# Altium PCB mb1260.PcbDoc (part 3 of 7)
Units mil, origin at the board's own origin, x right, y up, seen from the top; angles counter-clockwise.
Board outline 3189.01 x 3818.89 mil, 6 copper layers (TOP, L2_GND, L3_VCC, L4_SIG, L5_GND, BOTTOM), stack 62.2 mil thick; 308 components, 287 nets, 1220 pads, 851 vias.
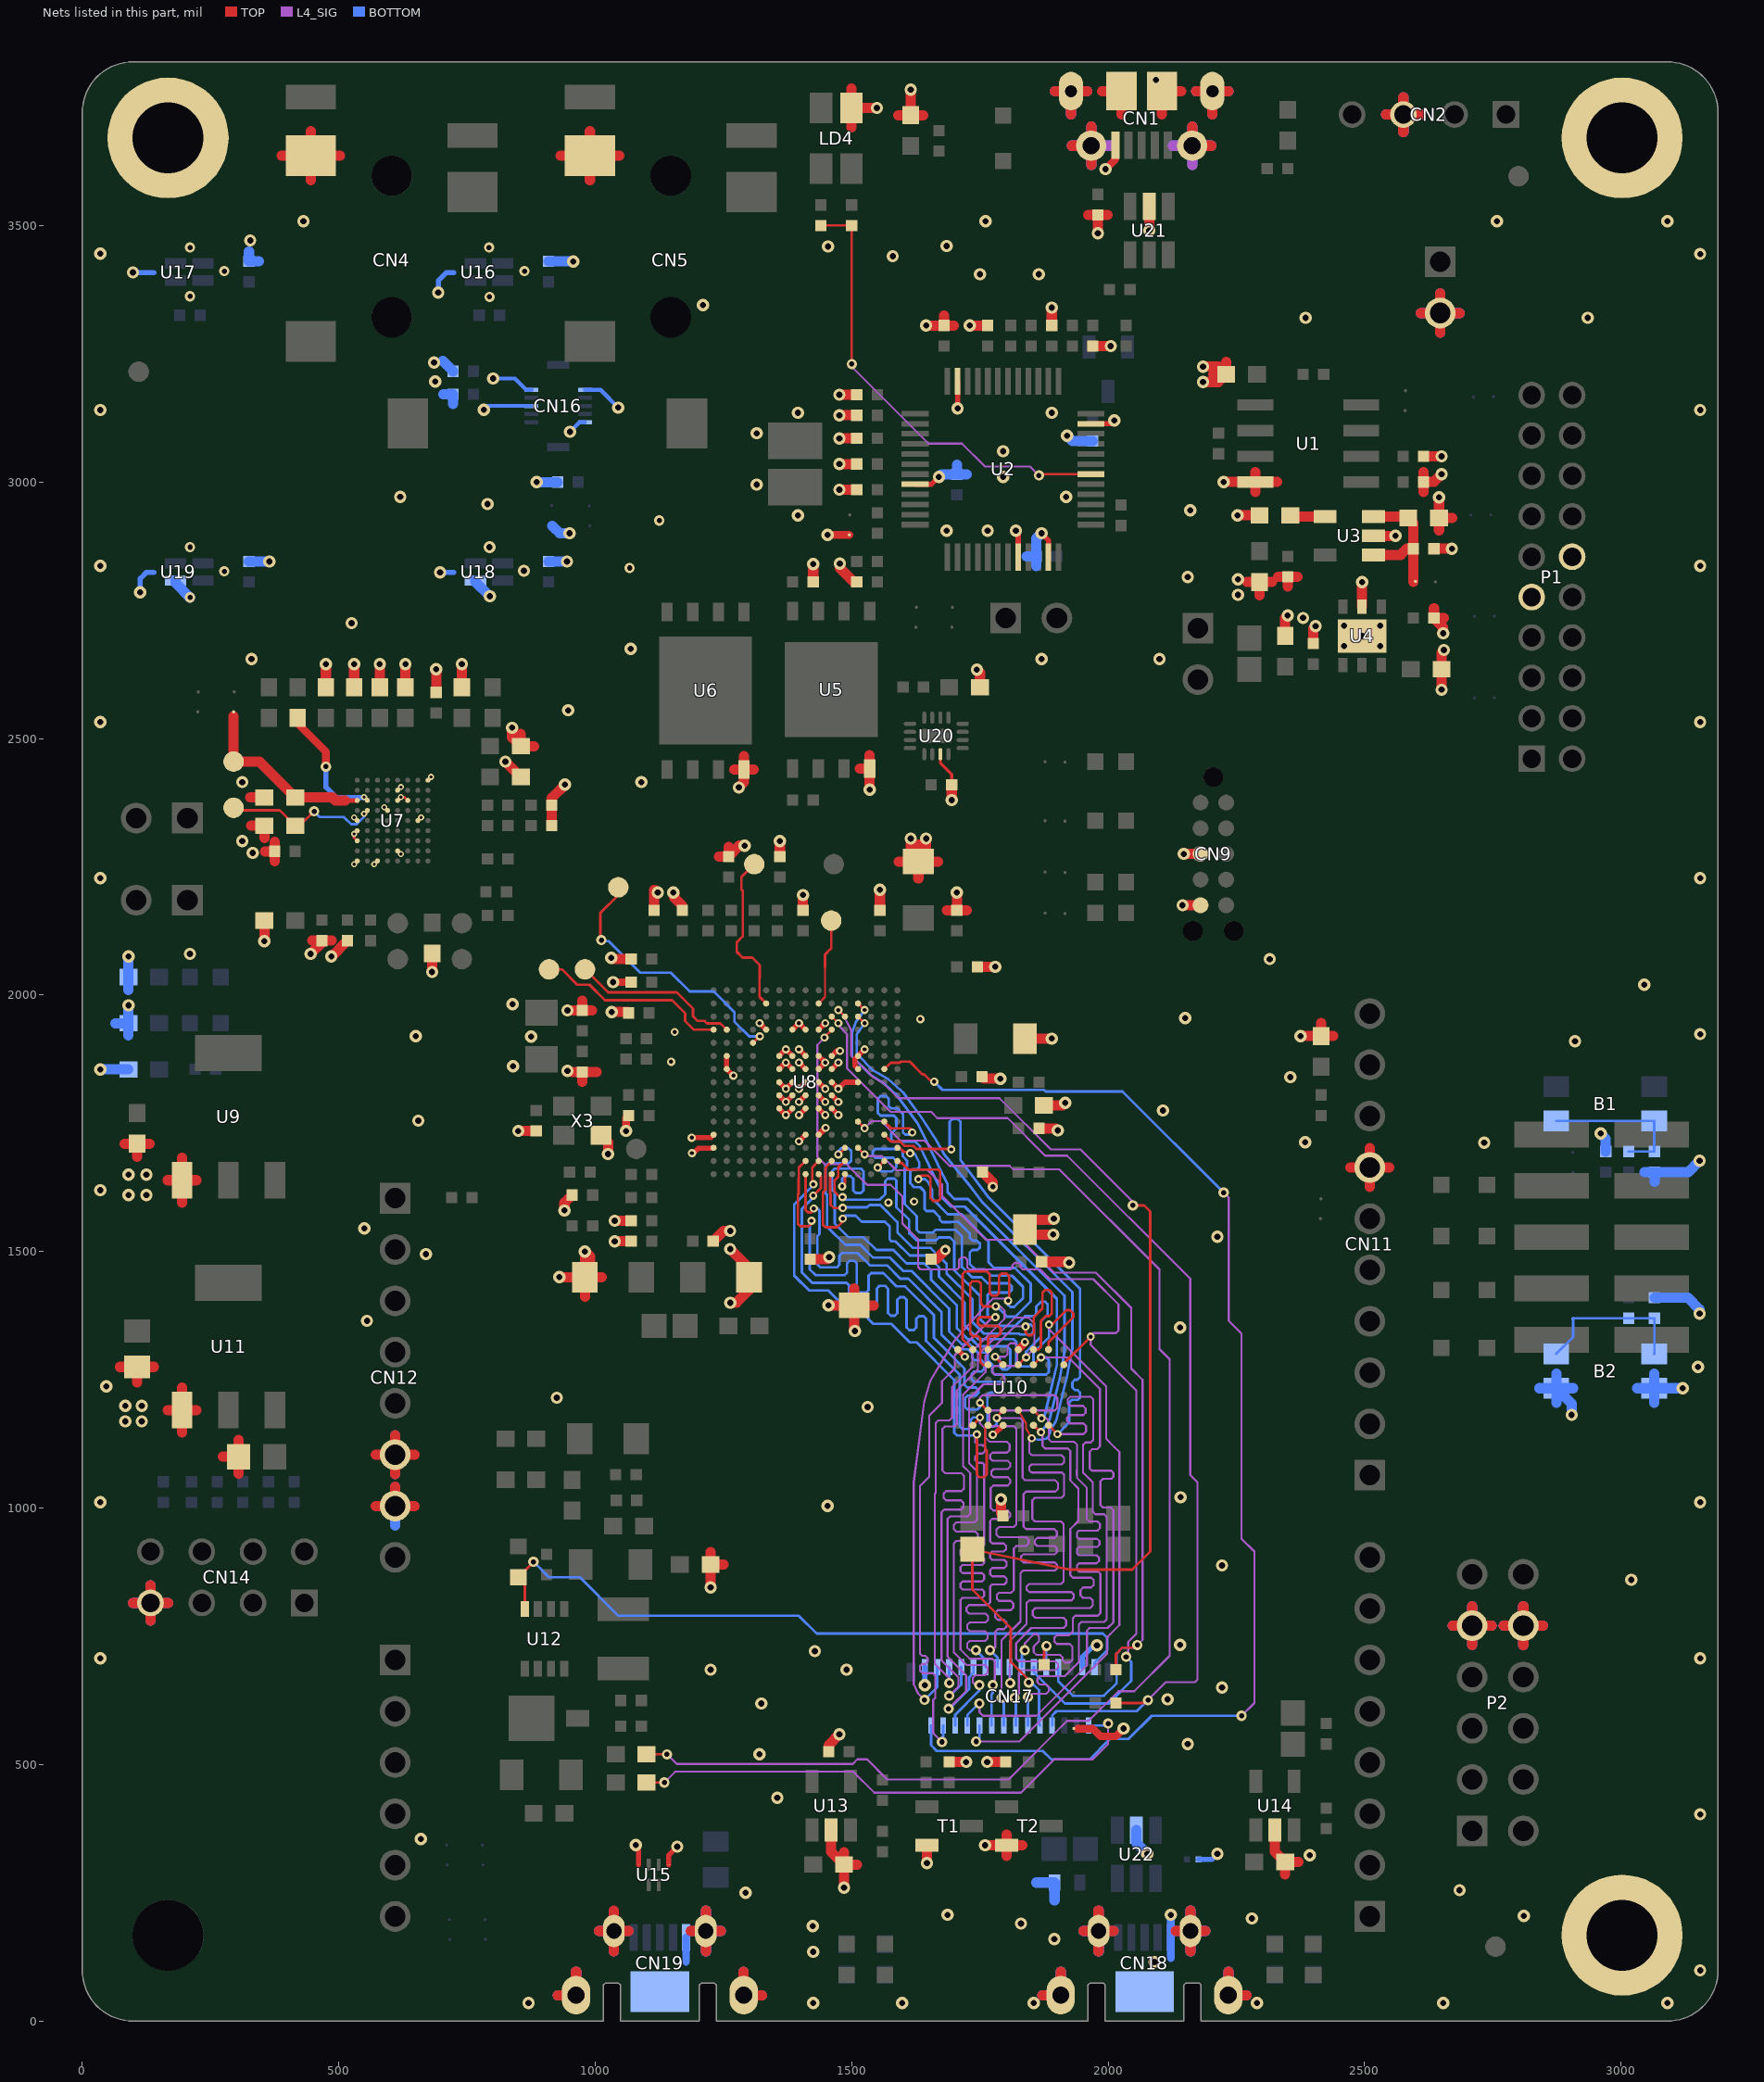
[diagram p7: the nets of this part, all layers, seen from the top]

## Via types
v1: diameter 24, hole 12, TOP to BOTTOM, tented both sides, 389 vias
v2: diameter 20, hole 10, TOP to BOTTOM, tented both sides, 231 vias
v3: diameter 16, hole 8, TOP to BOTTOM, tented both sides, 196 vias
v4: diameter 12, hole 6, TOP to BOTTOM, tented both sides, 35 vias

## Nets (pads, with @x,y where several pads share a name; then routed paths per layer and width w, separated by ;. In a path a pad name is that pad's centre, name@x,y a point inside that pad or via, vN(x,y) a via of type N, cw(c..) or ccw(c..) an arc to the next point about the centre after c; other vN are vias at no path point) (continued)
GND: B2.2 B2.4 C1.2 C2.2 C3.1 C4.1 C5.1 C6.1 C7.1 C8.1 C9.1 C10.1 C11.1 C12.1 C13.1 C14.1 C15.1 C16.1 C17.1 C19.1 C20.2 C21.2 C22.2 C23.2 C24.2 C26.2 C28.2 C29.1 C31.1 C33.2 C34.2 C35.1 C36.1 C37.1 C38.1 C39.1 C40.1 C41.2 C42.2 C43.1 C44.1 C45.1 C46.1 C47.1 C48.1 C49.1 C50.1 C51.1 C52.1 C53.1 C54.2 C55.1 C56.1 C57.1 C58.1 C59.1 C60.1 C61.1 C62.1 C63.1 C64.2 C65.2 C66.2 C68.1 C71.1 C74.1 C77.2 C78.2 C79.2 C80.2 C81.1 C82.1 C83.1 C84.2 C85.2 C86.1 C87.1 C92.2 C93.1 CN1.5 CN1.6 CN1.7 CN1.8 CN1.9 CN1.10 CN1.11 CN2.3 CN3.2 CN4.3 CN5.3 CN9.3 CN9.5 CN11.7 CN12.6 CN12.7 CN14.7 CN16.1 CN16.3 CN16.6 CN16.10 CN17.1 CN17.27 CN18.5 CN18.6 CN18.7 CN18.8 CN18.9 CN18.10 CN19.5 CN19.6 CN19.7 CN19.8 CN19.9 CN19.10 H1.1 H2.1 H4.1 L5.1 LD1.2 LD2.2 LD4.1 LD5.2 LD6.2 P1.5 P1.16 P2.5 P2.11 R3.1 R6.1 R8.1 R9.1 R16.1 R17.1 R18.1 R19.1 R21.1 R22.2 R26.1 R29.1 R31.2 R33.2 R36.1 R37.1 R54.2 R61.1 R75.2 R76.1 R89.1 SB2.2 SB6.1 SB16.1 T1.2 T2.2 U1.4 U2.8 U2.20 U2.23 U2.35 U2.47 U3.2 U4.2 U4.7 U5.4 U6.4 U7.A1 U7.A3 U7.A4 U7.A5 U7.C1 U7.D6 U7.E2 U7.E7 U7.E8 U7.F7 U7.G5 U7.H9 U8.D5 U8.D7 U8.D8 U8.D9 U8.F2 U8.F6 U8.F7 U8.F8 U8.F9 U8.F10 U8.F12 U8.G2 U8.G6 U8.G7 U8.G8 U8.G9 U8.G10 U8.G12 U8.H6 U8.H7 U8.H8 U8.H9 U8.H10 U8.H12 U8.J6 U8.J7 U8.J8 U8.J9 U8.J10 U8.K6 U8.K7 U8.K8 U8.K9 U8.K10 U8.M1 U8.M8 U8.M9 U8.N1 U9.1 U10.D1 U10.E6 U10.H1 U11.1 U13.2 U14.2 U15.5 U15.8 U16.5 U17.5 U18.2 U18.5 U19.2 U19.5 U20.11 U21.2 U22.2 U23.2 U24.2 X3.2 | length 17260.3
  TOP w5: v4(529.8,2254.96) U7.A1@536.1,2261.26 ; v4(529.8,2346.3) U7.A5@536.1,2340 ; U7.A3@536.1,2300.63 529.8,2306.93 v4(529.8,2314.01) U7.A4@536.1,2320.31 ; v4(569.17,2254.96) U7.C1@575.47,2261.26 ; v4(588.86,2365.99) U7.D6@595.16,2359.69 ; U7.E2@614.84,2280.94 v4(621.14,2274.64) ; U7.E7@614.84,2379.37 v4(621.14,2385.68) 628.22,2385.68 U7.F7@634.53,2379.37 ; U7.E8@614.84,2399.06 v4(621.14,2405.36) ; U7.G5@654.21,2340 v4(660.51,2346.3) ; U7.H9@673.9,2418.74 v4(680.2,2425.04)
  TOP w6: U20.11@1672.87,2469.38 1672.87,2452.13 1695,2430 R29.1@1695,2410
  TOP w10: v1(1079,343) 1084.47,337.53 U15.8@1084.47,304.69 ; U15.5@1143.53,304.69 1143.53,323.53 v1(1160,340) ; v3(1188,1721.87) 1225.1,1721.87 U8.M1@1230.87,1727.64 ; v3(1188.63,1691.87) 1191.87,1691.87 1201,1701 1229.82,1701 U8.N1@1230.87,1702.05 ; U8.F2@1256.46,1881.18 U8.G2@1256.46,1855.59 v3(1269.32,1842.73) ; v3(1320.37,1945.22) U8.D5@1333.23,1932.36 ; U8.K6@1358.82,1778.82 1358.82,1778.69 v3(1371.55,1765.96) U8.K7@1384.41,1778.82 ; U8.J6@1358.82,1804.41 1358.82,1804.28 v3(1371.55,1791.55) U8.J7@1384.41,1804.41 ; U8.H6@1358.82,1830 1358.82,1829.87 v3(1371.55,1817.14) U8.H7@1384.41,1830 ; U8.G6@1358.82,1855.59 1358.82,1855.72 v3(1371.55,1868.45) U8.G7@1384.41,1855.59 ; U8.F6@1358.82,1881.18 1358.82,1881.31 v3(1371.55,1894.04) U8.F7@1384.41,1881.18 ; U8.D7@1384.41,1932.36 1384.41,1932.49 v3(1397.14,1945.22) U8.D8@1410,1932.36 ; v3(1397.14,1714.78) U8.M8@1410,1727.64 ; v3(1397.14,1765.96) U8.K8@1410,1778.82 ; v3(1397.14,1791.55) U8.J8@1410,1804.41 ; v3(1397.14,1817.14) U8.H8@1410,1830 ; v3(1397.14,1868.45) U8.G8@1410,1855.59 ; v3(1397.14,1894.04) U8.F8@1410,1881.18 ; U8.K9@1435.59,1778.82 v3(1448.45,1765.96) ; U8.J9@1435.59,1804.41 v3(1448.45,1791.55) ; U8.H9@1435.59,1830 v3(1448.45,1817.14) ; U8.G9@1435.59,1855.59 v3(1448.45,1868.45) 1435.72,1881.18 U8.F9@1435.59,1881.18 ; U8.D9@1435.59,1932.36 v3(1448.32,1945.09) ; U8.K10@1461.18,1778.82 v3(1474.04,1765.96) ; U8.J10@1461.18,1804.41 v3(1474.04,1791.55) ; U8.H10@1461.18,1830 v3(1474.04,1817.14) 1486.9,1830 U8.H12@1512.36,1830 ; U8.G10@1461.18,1855.59 v3(1474.04,1868.45) ; U8.F10@1461.18,1881.18 1471,1891 v3(1477,1891) ; U8.G12@1512.36,1855.59 1512.36,1855.75 1506,1862.11 1506,1874.82 U8.F12@1512.36,1881.18 v3(1525.22,1894.04) ; U2.8@1623.74,2995.47 1655.47,2995.47 v1(1670,3010) ; v1(1706.42,3143.58) U2.47@1706.42,3196.26 ; U10.H1@1706.65,1308.82 v3(1720.62,1294.85) ; v3(1775,1143) 1777.06,1143 U10.E6@1795.24,1161.18 ; v1(1820,2905) 1824.53,2900.47 U2.20@1824.53,2853.74 ; v1(1870,2900) 1883.58,2886.42 U2.23@1883.58,2853.74 ; U2.35@1966.26,3113.58 2005.74,3113.58 v1(2012.16,3120)
  TOP w12: U8.M9@1435.59,1727.64 1435.75,1727.64 v3(1449.1,1740.99)
  TOP w15: v1(1035,2025) C46.1@1070,2025 ; v1(1059.97,1735) 1059.97,1759.97 C53.1@1065,1765 ; v1(1453.01,2896.99) SB6.1@1495.33,2896.99 ; U10.D1@1824.76,1308.82 1837.6,1321.66 v3(1837.6,1323.6) ; 1940,570 1970,570 ; 1970,570.33 1970,570 ; v1(1995,3610) 2014.17,3629.17 CN1.5@2014.17,3656.49 ; v1(2030,570.33) 2014.67,555 1985,555 1970,570
  TOP w20: 73.78,1275 C68.1@106.8,1275 ; 82.78,1710 C57.1@106.8,1710 ; 98.97,815 CN14.7@132.99,815 ; 106.8,1244.48 C68.1@106.8,1275 ; 106.8,1684.48 C57.1@106.8,1710 ; 130.82,1710 C57.1@106.8,1710 ; 132.99,780.98 CN14.7@132.99,815 ; 132.99,849.02 CN14.7@132.99,815 ; 139.82,1275 C68.1@106.8,1275 ; 166.43,1190.98 U11.1@194.45,1190.98 ; 166.43,1638.98 U9.1@194.45,1638.98 ; 167.01,815 CN14.7@132.99,815 ; 194.45,1147.46 U11.1@194.45,1190.98 ; 194.45,1234.5 U11.1@194.45,1190.98 ; 194.45,1595.46 U9.1@194.45,1638.98 ; 194.45,1682.5 U9.1@194.45,1638.98 ; 222.47,1190.98 U11.1@194.45,1190.98 ; 222.47,1638.98 U9.1@194.45,1638.98 ; 274.48,1100 C74.1@305,1100 ; 305,1066.98 C74.1@305,1100 ; 305,1133.02 C74.1@305,1100 ; 327,2385 C29.1@355,2385 ; 329.48,2330 C31.1@355,2330 355,2305.98 ; v1(355,2105) C35.1@355,2145 ; 355.98,2280 C33.2@375,2280 ; 375,2260.98 C33.2@375,2280 ; 375,2299.02 C33.2@375,2280 ; 388.65,3635.98 CN4.3@445.67,3635.98 ; v1(445,2080) 467,2102 C41.2@467,2106 ; 445.67,3588.46 CN4.3@445.67,3635.98 ; 445.67,3683.5 CN4.3@445.67,3635.98 ; 447.98,2106 C41.2@467,2106 ; C19.1@475,2600 v1(475,2645) ; v1(485.5,2075) 486,2075 C42.2@517,2106 ; 486.02,2106 C41.2@467,2106 ; 502.69,3635.98 CN4.3@445.67,3635.98 ; C20.2@530,2600 v1(530,2645) ; 571.82,1003.94 CN12.7@609.84,1003.94 ; 571.82,1103.94 CN12.6@609.84,1103.94 ; C21.2@580,2600 v1(580,2645) ; 609.84,1041.96 CN12.7@609.84,1003.94 ; 609.84,1065.92 CN12.6@609.84,1103.94 ; 609.84,1141.96 CN12.6@609.84,1103.94 ; C22.2@630,2600 v1(630,2645) ; 647.86,1003.94 CN12.7@609.84,1003.94 ; 647.86,1103.94 CN12.6@609.84,1103.94 ; v1(682,2045) C43.1@682,2081 ; C23.2@690,2590 v1(690,2635) ; C24.2@740,2600 v1(740,2645) ; v1(825,2455) C28.2@855,2425 ; v1(838,2521) 838,2502 C26.2@855,2485 ; v1(850,1735) C55.1@885,1735 ; 855,2509.02 C26.2@855,2485 ; 880.52,2485 C26.2@855,2485 ; R33.2@915,2330 R31.2@915,2370 915,2384 v1(941,2410) ; 927.07,50.4 CN19.9@962.59,50.4 962.59,95.92 ; v1(930,1450) C64.2@980,1450 ; 932.66,3635.98 CN5.3@989.68,3635.98 ; v1(940,1580) 940,1595 C93.1@955,1610 ; v1(946,1970) C48.1@975,1970 ; v1@955.98,1850 C51.1@975,1850 ; 975,1830.98 C51.1@975,1850 ; 975,1989.02 C48.1@975,1970 ; 980,1411.98 C64.2@980,1450 ; v1@980,1488.02 C64.2@980,1450 ; v1(980,1500) 990,1490 990,1460 C64.2@980,1450 ; 989.68,3588.46 CN5.3@989.68,3635.98 ; 989.68,3683.5 CN5.3@989.68,3635.98 ; 994.02,1970 C48.1@975,1970 ; 1003,1850 C51.1@975,1850 ; 1007.39,175.6 CN19.6@1036.41,175.6 ; X3.2@1011.42,1726.46 1025,1712.88 v1(1025,1690) ; 1013.02,1450 C64.2@980,1450 ; v1(1030.96,2072.48) 1031.98,2072.48 1034.46,2070 C44.1@1070,2070 ; v1(1031.98,1967) 1063,1967 C47.1@1065,1965 ; 1036.41,136.08 CN19.6@1036.41,175.6 ; 1036.41,215.12 CN19.6@1036.41,175.6 ; v1(1038,1520) C59.1@1070,1520 ; v1(1038,1560) R61.1@1070,1560 ; 1046.7,3635.98 CN5.3@989.68,3635.98 ; 1065.43,175.6 CN19.6@1036.41,175.6 ; C36.1@1115,2165 1115,2204.41 1115.9,2203.51 1118.49,2203.51 v1(1122,2200) ; v1(1152,2200) 1154,2198 1154,2190 1170,2174 C37.1@1170,2165 ; 1186.53,175.6 CN19.7@1215.55,175.6 ; 1215.55,136.08 CN19.7@1215.55,175.6 ; 1215.55,215.12 CN19.7@1215.55,175.6 ; v1(1225,845) L5.1@1225,890 ; 1225,914.02 L5.1@1225,890 ; C60.1@1230,1520 1250,1540 v1(1263,1540) ; 1240.98,2270 R36.1@1260,2270 ; 1244.57,175.6 CN19.7@1215.55,175.6 ; 1250.52,890 L5.1@1225,890 ; 1260,2289.02 R36.1@1260,2270 ; v1(1263,1505) 1300,1468 C65.2@1300,1450 1300,1425 1275,1400 v1(1263.5,1400) ; 1270.98,2439.76 U6.4@1290,2439.76 ; v1(1280,2404.5) 1280,2405 1290,2415 U6.4@1290,2439.76 ; 1289.37,95.92 CN19.8@1289.37,50.4 1324.89,50.4 ; 1290,2465.78 U6.4@1290,2439.76 ; v1(1291.55,2291.08) 1291.47,2291.08 1291.47,2291.16 1291.31,2291.31 1281.31,2291.31 R36.1@1260,2270 ; 1309.02,2439.76 U6.4@1290,2439.76 ; R37.1@1360,2270 v1(1360,2300) ; C38.1@1405,2165 v1(1405,2195) ; C61.1@1419,1485 1452,1485 v1(1456.01,1489.01) ; C13.1@1425,2805 v1(1425,2840) ; R16.1@1455,525 1455,538 v1(1476,559) ; v1(1455,1395) C66.2@1505,1395 ; U13.2@1460,372.76 1460,330 C78.2@1485,305 ; v1(1476,2985) C7.1@1510,2985 ; v1(1476,3035) C6.1@1510,3035 ; v1(1476,3085) C4.1@1510,3085 ; v1(1476,3130) R19.1@1510,3130 ; v1(1476,3170) R17.1@1510,3170 ; v1(1477,2841) 1477,2832 1504,2805 R26.1@1510,2805 ; v1(1485,260) C78.2@1485,305 ; 1485,329.02 C78.2@1485,305 ; 1499.53,3691.54 LD4.1@1499.53,3729.06 ; 1499.53,3766.58 LD4.1@1499.53,3729.06 ; 1505,1428.02 C66.2@1505,1395 ; v1(1506,1345) 1506,1349 1505,1350 C66.2@1505,1395 ; 1510.52,305 C78.2@1485,305 ; 1515.98,2441.46 U5.4@1535,2441.46 ; v1(1535,2400) U5.4@1535,2441.46 ; 1535,2467.48 U5.4@1535,2441.46 ; 1543.02,1395 C66.2@1505,1395 ; v1(1549.06,3729.06) LD4.1@1499.53,3729.06 ; C39.1@1555,2165 v1(1555,2205) ; 1590.98,3715 LD2.2@1615,3715 ; 1591.98,2260 C34.2@1630,2260 ; v1(1615,2305) 1615,2275 C34.2@1630,2260 ; v1(1615,3765) LD2.2@1615,3715 ; 1630,2226.98 C34.2@1630,2260 ; 1630,2293.02 C34.2@1630,2260 ; 1639.02,3715 LD2.2@1615,3715 ; v1(1645,2305) 1645,2275 C34.2@1630,2260 ; v1(1645,3305) C1.2@1680,3305 ; v1(1646.69,308) T1.2@1646.69,342.6 ; C62.1@1655,1485 1665,1485 1683,1503 v2(1682.5,1503) ; 1668.02,2260 C34.2@1630,2260 ; 1680,3324.02 C1.2@1680,3305 ; 1685.98,2165 C40.1@1705,2165 ; R75.2@1690,505 v1(1723.28,505) ; v1(1695,2380) R29.1@1695,2410 ; 1699.02,3305 C1.2@1680,3305 ; v1(1705,2200) C40.1@1705,2165 ; 1724.02,2165 C40.1@1705,2165 ; v1(1730,3305) R3.1@1765,3305 ; v1(1744,2634) 1750,2628 C92.2@1750,2600 ; C45.1@1745,2055 v1(1780,2055) ; C56.1@1755,1655 1775,1635 v2(1775,1626) ; C52.1@1758.01,1836.99 v1(1790.01,1837) ; v1(1760,342.6) T2.2@1801.69,342.6 ; v1(1764,505) R76.1@1800,505 ; v1(1791,1017) 1791,989 C71.1@1795,985 ; 1801.69,322.08 T2.2@1801.69,342.6 ; 1801.69,363.12 T2.2@1801.69,342.6 ; 1832.21,342.6 T2.2@1801.69,342.6 ; C49.1@1838,1915 v1(1890,1915) ; R54.2@1865,1740 1898,1740 v1(1902,1736) ; C63.1@1870,1480 1922,1480 v1(1924,1478) ; 1871.96,50.4 CN18.9@1907.48,50.4 1907.48,95.92 ; C54.2@1875,1785 1911,1785 v1(1916,1790) ; R6.1@1890,3305 v1(1890,3340) ; v1(1893,1533) 1848,1533 C58.1@1838,1543 1838,1548 1852,1562 1892,1562 v1(1894,1564) ; 1896.03,3761.8 CN1.7@1927.55,3761.8 ; 1927.55,3716.28 CN1.7@1927.55,3761.8 ; 1929.4,3655.5 CN1.9@1966.92,3655.5 ; 1952.28,175.6 CN18.6@1981.3,175.6 ; 1959.07,3761.8 CN1.7@1927.55,3761.8 ; 1960.98,3520.59 R9.1@1980,3520.59 ; 1966.92,3617.98 CN1.9@1966.92,3655.5 ; 1966.92,3693.02 CN1.9@1966.92,3655.5 ; R8.1@1970,3265 v1(2005,3265) ; v1(1980,3485) R9.1@1980,3520.59 ; 1981.3,136.08 CN18.6@1981.3,175.6 ; 1981.3,215.12 CN18.6@1981.3,175.6 ; 1988.46,3761.8 CN1.11@2025.98,3761.8 2025.98,3716.28 ; 1999.02,3520.59 R9.1@1980,3520.59 ; 2010.32,175.6 CN18.6@1981.3,175.6 ; v1(2080,3490) U21.2@2080,3537.24 ; 2104.72,3716.28 CN1.10@2104.72,3761.8 2142.24,3761.8 ; 2131.42,175.6 CN18.7@2160.44,175.6 ; v1(2145,2175) CN9.5@2180,2175 ; v1(2147.5,2275) CN9.3@2180,2275 ; 2160.44,136.08 CN18.7@2160.44,175.6 ; 2160.44,215.12 CN18.7@2160.44,175.6 ; 2163.78,3693.02 CN1.8@2163.78,3655.5 2201.3,3655.5 ; 2171.63,3761.8 CN1.6@2203.15,3761.8 ; v1(2185,3195) 2215,3195 C3.1@2230,3210 ; v1(2185,3225) 2215,3225 C3.1@2230,3210 ; 2189.46,175.6 CN18.7@2160.44,175.6 ; 2203.15,3716.28 CN1.6@2203.15,3761.8 ; 2204.48,3210 C3.1@2230,3210 ; v1(2225,3000) U1.4@2286.7,3000 ; 2230,3234.02 C3.1@2230,3210 ; 2234.26,95.92 CN18.8@2234.26,50.4 2269.78,50.4 ; 2234.67,3761.8 CN1.6@2203.15,3761.8 ; v1(2252,2935) C8.1@2295,2935 ; 2270.98,2805 C11.1@2295,2805 ; 2286.7,2980.98 U1.4@2286.7,3000 ; 2286.7,3019.02 U1.4@2286.7,3000 ; 2295,2779.48 C11.1@2295,2805 ; 2319.02,2805 C11.1@2295,2805 ; U14.2@2325,372.76 2325,330 C77.2@2345,310 ; 2329.72,3000 U1.4@2286.7,3000 ; 2330.98,2815 C12.1@2350,2815 ; 2345,285.98 C77.2@2345,310 ; C15.1@2345,2700 2345,2735 v1(2350,2740) ; 2350,2795.98 C12.1@2350,2815 ; 2369.02,2815 C12.1@2350,2815 ; 2370.52,310 C77.2@2345,310 ; v1(2375,1920) C50.1@2415,1920 ; C16.1@2400,2685 2400,2714.85 v1(2404.3,2719.15) ; 2415,1945.52 C50.1@2415,1920 ; 2439.02,1920 C50.1@2415,1920 ; 2471.82,1663.94 CN11.7@2509.84,1663.94 ; U4.2@2495,2756.52 v1(2495,2805) ; 2509.84,1625.92 CN11.7@2509.84,1663.94 ; 2509.84,1701.96 CN11.7@2509.84,1663.94 ; U3.2@2517.24,2895 v1(2560,2895) ; 2541.39,3716.23 CN2.3@2575.41,3716.23 ; 2547.86,1663.94 CN11.7@2509.84,1663.94 ; 2575.41,3682.21 CN2.3@2575.41,3716.23 ; 2575.41,3750.25 CN2.3@2575.41,3716.23 ; 2609.18,3329.41 CN3.2@2647.2,3329.41 ; 2609.43,3716.23 CN2.3@2575.41,3716.23 ; 2615,2980.98 R22.2@2615,3000 ; 2615,3019.02 R22.2@2615,3000 ; C5.1@2615,3050 v1(2650,3050) ; 2635,2754.02 C14.1@2635,2735 ; C10.1@2635,2870 v1(2670,2870) ; 2645,2905.98 C9.1@2645,2930 ; v1(2645,2970) C9.1@2645,2930 ; 2647.2,3291.39 CN3.2@2647.2,3329.41 ; 2647.2,3367.43 CN3.2@2647.2,3329.41 ; v1(2650,2595) C17.1@2650,2635 2650,2667 2654.53,2671.53 v1(2654.53,2672.65) ; v1(2650,3015) 2635,3000 R22.2@2615,3000 ; v1(2653,2705) 2653,2717 C14.1@2635,2735 ; 2654.02,2735 C14.1@2635,2735 ; 2670.52,2930 C9.1@2645,2930 ; 2671.31,770.63 P2.5@2709.33,770.63 ; 2685.22,3329.41 CN3.2@2647.2,3329.41 ; 2709.33,732.61 P2.5@2709.33,770.63 ; 2709.33,808.65 P2.5@2709.33,770.63 ; 2747.35,770.63 P2.5@2709.33,770.63 ; 2771.31,770.63 P2.11@2809.33,770.63 ; 2809.33,732.61 P2.11@2809.33,770.63 ; 2809.33,808.65 P2.11@2809.33,770.63 ; 2847.35,770.63 P2.11@2809.33,770.63
  L4_SIG w20: 98.97,815 CN14.7@132.99,815 ; 132.99,780.98 CN14.7@132.99,815 ; 132.99,849.02 CN14.7@132.99,815 ; 167.01,815 CN14.7@132.99,815 ; 927.07,50.4 CN19.9@962.59,50.4 962.59,95.92 ; 1007.39,175.6 CN19.6@1036.41,175.6 ; 1036.41,136.08 CN19.6@1036.41,175.6 ; 1065.43,175.6 CN19.6@1036.41,175.6 ; 1186.53,175.6 CN19.7@1215.55,175.6 ; 1215.55,136.08 CN19.7@1215.55,175.6 ; 1215.55,215.12 CN19.7@1215.55,175.6 ; 1244.57,175.6 CN19.7@1215.55,175.6 ; 1289.37,95.92 CN19.8@1289.37,50.4 1324.89,50.4 ; 1871.96,50.4 CN18.9@1907.48,50.4 1907.48,95.92 ; 1896.03,3761.8 CN1.7@1927.55,3761.8 ; 1927.55,3716.28 CN1.7@1927.55,3761.8 ; 1929.4,3655.5 CN1.9@1966.92,3655.5 ; 1952.28,175.6 CN18.6@1981.3,175.6 ; 1959.07,3761.8 CN1.7@1927.55,3761.8 ; 1966.92,3617.98 CN1.9@1966.92,3655.5 ; 1966.92,3693.02 CN1.9@1966.92,3655.5 ; 1981.3,136.08 CN18.6@1981.3,175.6 ; 1981.3,215.12 CN18.6@1981.3,175.6 ; 2004.44,3655.5 CN1.9@1966.92,3655.5 ; 2010.32,175.6 CN18.6@1981.3,175.6 ; 2126.26,3655.5 CN1.8@2163.78,3655.5 ; 2131.42,175.6 CN18.7@2160.44,175.6 ; 2160.44,136.08 CN18.7@2160.44,175.6 ; 2160.44,215.12 CN18.7@2160.44,175.6 ; 2163.78,3617.98 CN1.8@2163.78,3655.5 ; 2163.78,3693.02 CN1.8@2163.78,3655.5 ; 2171.63,3761.8 CN1.6@2203.15,3761.8 ; 2189.46,175.6 CN18.7@2160.44,175.6 ; 2201.3,3655.5 CN1.8@2163.78,3655.5 ; 2203.15,3716.28 CN1.6@2203.15,3761.8 ; 2234.26,95.92 CN18.8@2234.26,50.4 2269.78,50.4 ; 2234.67,3761.8 CN1.6@2203.15,3761.8 ; 2541.39,3716.23 CN2.3@2575.41,3716.23 ; 2575.41,3682.21 CN2.3@2575.41,3716.23 ; 2609.18,3329.41 CN3.2@2647.2,3329.41 ; 2609.43,3716.23 CN2.3@2575.41,3716.23 ; 2647.2,3291.39 CN3.2@2647.2,3329.41 ; 2647.2,3367.43 CN3.2@2647.2,3329.41 ; 2671.31,770.63 P2.5@2709.33,770.63 ; 2685.22,3329.41 CN3.2@2647.2,3329.41 ; 2709.33,808.65 P2.5@2709.33,770.63 ; 2747.35,770.63 P2.5@2709.33,770.63 ; 2771.31,770.63 P2.11@2809.33,770.63 ; 2809.33,808.65 P2.11@2809.33,770.63 ; 2847.35,770.63 P2.11@2809.33,770.63
  BOTTOM w7: v1(782.84,3140.76) 790.24,3148.16 CN16.3@875.57,3148.16
  BOTTOM w8: v1(800.84,3201.76) 843.24,3201.76 865.34,3179.66 CN16.1@875.57,3179.66 ; v1(950.84,3097.76) 969.74,3116.66 CN16.6@979.91,3116.66 ; CN16.10@979.91,3179.66 1010.34,3179.66 v1(1045,3145)
  BOTTOM w10: v1(98.87,3408.41) U17.5@139.46,3408.41 ; v1(113,2785) 113,2811.8 125,2823.8 U19.5@139.46,2823.8 ; v1(694,3369) 694,3392.41 710,3408.41 U16.5@724.07,3408.41 ; v1(697.61,2823.8) U18.5@724.07,2823.8 ; v1(1642.8,654.8) CN17.1@1642.8,690.09 ; CN17.27@1949.88,690.09 1949.88,709.88 1972.5,732.5 v1(1978.19,732.5) ; U23.2@2176.02,315 2202,315 v1(2213,326)
  BOTTOM w15: 1177.16,115.31 CN19.5@1177.16,162.8 ; v1(2122,207) 2122.05,206.95 CN18.5@2122.05,162.8 2122.05,122.95
  BOTTOM w20: v1(35,1855) LD1.2@90,1855 ; 64.48,1945 LD6.2@90,1945 ; 90,1920.98 LD6.2@90,1945 ; v1(90,1980) LD6.2@90,1945 ; 90,2010 LD5.2@90,2035 v1(90,2075) ; 98.97,815 CN14.7@132.99,815 ; 132.99,780.98 CN14.7@132.99,815 ; 132.99,849.02 CN14.7@132.99,815 ; U19.2@181.89,2808.07 181.89,2803.11 v2(210,2775) ; C85.2@325,2845 v1(365,2845) ; 325,3449.02 C80.2@325,3430 344.02,3430 ; 609.84,965.92 CN12.7@609.84,1003.94 609.84,1041.96 ; 609.84,1065.92 CN12.6@609.84,1103.94 609.84,1141.96 ; 702.84,3235.76 C2.2@722.84,3215.76 ; 703.82,3170.76 R21.1@722.84,3170.76 722.84,3151.74 ; U18.2@766.5,2808.07 766.5,2805.5 v1(794.61,2777.39) ; v1(885.84,2999.76) R18.1@926.84,2999.76 ; C84.2@908.74,2845 v1(945,2845) ; C79.2@908.74,3430 v1(957,3430) ; SB2.2@916.03,2914.93 918.86,2912.1 930.96,2900 v1(950,2900) ; 927.07,50.4 CN19.9@962.59,50.4 962.59,95.92 ; 1007.39,175.6 CN19.6@1036.41,175.6 1036.41,136.08 ; 1215.55,136.08 CN19.7@1215.55,175.6 ; 1215.55,215.12 CN19.7@1215.55,175.6 ; 1244.57,175.6 CN19.7@1215.55,175.6 ; 1289.37,95.92 CN19.8@1289.37,50.4 1324.89,50.4 ; v1(1670,3010) 1675,3015 C82.1@1705,3015 ; 1705,3034.02 C82.1@1705,3015 ; 1724.02,3015 C82.1@1705,3015 ; 1840.98,2855 C83.1@1860,2855 ; 1860,270 U24.2@1895.39,270 1895.39,235.39 ; 1860,2835.98 C83.1@1860,2855 ; v1(1870,2900) 1860,2890 C83.1@1860,2855 ; 1871.96,50.4 CN18.9@1907.48,50.4 1907.48,95.92 ; 1896.03,3761.8 CN1.7@1927.55,3761.8 ; v1(1920,3090) 1930,3080 C81.1@1970,3080 ; 1927.55,3716.28 CN1.7@1927.55,3761.8 ; 1929.4,3655.5 CN1.9@1966.92,3655.5 ; 1952.28,175.6 CN18.6@1981.3,175.6 1981.3,136.08 ; 1959.07,3761.8 CN1.7@1927.55,3761.8 ; 1966.92,3617.98 CN1.9@1966.92,3655.5 ; 1966.92,3693.02 CN1.9@1966.92,3655.5 ; 2004.44,3655.5 CN1.9@1966.92,3655.5 ; U22.2@2055,372.24 2055,347 v1(2076,326) ; 2126.26,3655.5 CN1.8@2163.78,3655.5 ; 2160.44,136.08 CN18.7@2160.44,175.6 ; 2160.44,215.12 CN18.7@2160.44,175.6 ; 2163.78,3617.98 CN1.8@2163.78,3655.5 ; 2163.78,3693.02 CN1.8@2163.78,3655.5 ; 2171.63,3761.8 CN1.6@2203.15,3761.8 ; 2189.46,175.6 CN18.7@2160.44,175.6 ; 2201.3,3655.5 CN1.8@2163.78,3655.5 ; 2203.15,3716.28 CN1.6@2203.15,3761.8 ; 2234.26,95.92 CN18.8@2234.26,50.4 2269.78,50.4 ; 2234.67,3761.8 CN1.6@2203.15,3761.8 ; 2541.39,3716.23 CN2.3@2575.41,3716.23 ; 2575.41,3682.21 CN2.3@2575.41,3716.23 ; 2575.41,3750.25 CN2.3@2575.41,3716.23 ; 2609.18,3329.41 CN3.2@2647.2,3329.41 ; 2609.43,3716.23 CN2.3@2575.41,3716.23 ; 2647.2,3367.43 CN3.2@2647.2,3329.41 ; 2671.31,770.63 P2.5@2709.33,770.63 ; 2685.22,3329.41 CN3.2@2647.2,3329.41 ; 2709.33,732.61 P2.5@2709.33,770.63 ; 2709.33,808.65 P2.5@2709.33,770.63 ; 2747.35,770.63 P2.5@2709.33,770.63 ; 2771.31,770.63 P2.11@2809.33,770.63 ; 2809.33,732.61 P2.11@2809.33,770.63 ; 2809.33,808.65 P2.11@2809.33,770.63 ; 2840.51,1233.54 B2.2@2873.53,1233.54 ; 2847.35,770.63 P2.11@2809.33,770.63 ; 2873.53,1205.52 B2.2@2873.53,1233.54 ; 2873.53,1261.56 B2.2@2873.53,1233.54 ; v1(2903.53,1181.47) 2903.53,1203.54 B2.2@2873.53,1233.54 ; 2906.55,1233.54 B2.2@2873.53,1233.54 ; v1(2960,1730) 2970,1720 C86.1@2970,1695 ; 3031.45,1233.54 B2.4@3064.47,1233.54 ; 3045.98,1655 R89.1@3065,1655 ; 3064.47,1205.52 B2.4@3064.47,1233.54 ; 3064.47,1261.56 B2.4@3064.47,1233.54 ; C87.1@3065,1410 3130,1410 3153,1387 v1(3153,1379) ; 3065,1635.98 R89.1@3065,1655 ; v1(3120,1233.54) B2.4@3064.47,1233.54 ; v1(3153,1677) 3131,1655 R89.1@3065,1655

## Text inside footprints (layer, text, board x,y; h text height)
U8: LIB_UNEVALUATED "OK" at 1382,1830 h35; LIB_UNEVALUATED "BGA176_0R65_10X10" at 1146,1495 h30; LIB_UNEVALUATED "Remark: D031-005A1" at 1184,2132 h25; LIB_UNEVALUATED "Rev   : A1" at 1184,2172 h25; LIB_UNEVALUATED "Date  : 2011-10-19" at 1184,2212 h25; LIB_UNEVALUATED "Creat : Yuki" at 1184,2252 h25; LIB_UNEVALUATED "Ref PN: STM32F207IGH6" at 1184,2292 h25; LIB_UNEVALUATED "Sofer Lib Information" at 1154,2342 h25; LIB_UNEVALUATED "P1" at 1218.07,1676.46 h16; LIB_UNEVALUATED "R1" at 1218.07,1650.87 h16; LIB_UNEVALUATED "D6" at 1346.02,1932.36 h16; LIB_UNEVALUATED "F2" at 1243.66,1881.18 h16; LIB_UNEVALUATED "G9" at 1422.79,1855.59 h16; LIB_UNEVALUATED "F9" at 1422.79,1881.18 h16; LIB_UNEVALUATED "G10" at 1441.98,1855.59 h16; LIB_UNEVALUATED "G12" at 1493.16,1855.59 h16; LIB_UNEVALUATED "F12" at 1493.16,1881.18 h16; LIB_UNEVALUATED "D9" at 1422.79,1932.36 h16; LIB_UNEVALUATED "F10" at 1441.98,1881.18 h16; LIB_UNEVALUATED "G6" at 1346.02,1855.59 h16; LIB_UNEVALUATED "G7" at 1371.61,1855.59 h16; LIB_UNEVALUATED "F7" at 1371.61,1881.18 h16; LIB_UNEVALUATED "F6" at 1346.02,1881.18 h16; LIB_UNEVALUATED "F8" at 1397.2,1881.18 h16; LIB_UNEVALUATED "G8" at 1397.2,1855.59 h16; LIB_UNEVALUATED "D8" at 1397.2,1932.36 h16; LIB_UNEVALUATED "D7" at 1371.61,1932.36 h16; LIB_UNEVALUATED "D5" at 1320.43,1932.36 h16; LIB_UNEVALUATED "M9" at 1422.79,1727.64 h16; LIB_UNEVALUATED "H12" at 1493.16,1830 h16; LIB_UNEVALUATED "H10" at 1441.98,1830 h16; LIB_UNEVALUATED "H9" at 1422.79,1830 h16; LIB_UNEVALUATED "J10" at 1441.98,1804.41 h16; LIB_UNEVALUATED "J9" at 1422.79,1804.41 h16; LIB_UNEVALUATED "K9" at 1422.79,1778.82 h16; LIB_UNEVALUATED "K10" at 1441.98,1778.82 h16; LIB_UNEVALUATED "M8" at 1397.2,1727.64 h16; LIB_UNEVALUATED "H8" at 1397.2,1830 h16; LIB_UNEVALUATED "H7" at 1371.61,1830 h16; LIB_UNEVALUATED "H6" at 1346.02,1830 h16; LIB_UNEVALUATED "J8" at 1397.2,1804.41 h16; LIB_UNEVALUATED "J7" at 1371.61,1804.41 h16; LIB_UNEVALUATED "J6" at 1346.02,1804.41 h16; LIB_UNEVALUATED "K8" at 1397.2,1778.82 h16; LIB_UNEVALUATED "K6" at 1346.02,1778.82 h16; LIB_UNEVALUATED "K7" at 1371.61,1778.82 h16; LIB_UNEVALUATED "G2" at 1243.66,1855.59 h16; LIB_UNEVALUATED "M1" at 1218.07,1727.64 h16; LIB_UNEVALUATED "N1" at 1218.07,1702.05 h16; LIB_UNEVALUATED "J1" at 1218.07,1804.41 h16; LIB_UNEVALUATED "F13" at 1518.75,1881.18 h16; LIB_UNEVALUATED "M10" at 1441.98,1727.64 h16; LIB_UNEVALUATED "J14" at 1544.34,1804.41 h16; LIB_UNEVALUATED "J15" at 1569.93,1804.41 h16; LIB_UNEVALUATED "H1" at 1218.07,1830 h16; LIB_UNEVALUATED "G1" at 1218.07,1855.59 h16; LIB_UNEVALUATED "C6" at 1346.02,1957.95 h16; LIB_UNEVALUATED "F1" at 1218.07,1881.18 h16; LIB_UNEVALUATED "E1" at 1218.07,1906.77 h16; LIB_UNEVALUATED "D1" at 1218.07,1932.36 h16; LIB_UNEVALUATED "E4" at 1294.84,1906.77 h16; LIB_UNEVALUATED "D2" at 1243.66,1932.36 h16; LIB_UNEVALUATED "B9" at 1422.79,1983.54 h16; LIB_UNEVALUATED "B5" at 1320.43,1983.54 h16; LIB_UNEVALUATED "L4" at 1294.84,1753.23 h16; LIB_UNEVALUATED "D3" at 1269.25,1932.36 h16; LIB_UNEVALUATED "M13" at 1518.75,1727.64 h16; LIB_UNEVALUATED "L12" at 1493.16,1753.23 h16; LIB_UNEVALUATED "C10" at 1441.98,1957.95 h16; LIB_UNEVALUATED "N12" at 1493.16,1702.05 h16; LIB_UNEVALUATED "A4" at 1294.84,2009.13 h16; LIB_UNEVALUATED "A3" at 1269.25,2009.13 h16; LIB_UNEVALUATED "A11" at 1467.57,2009.13 h16; LIB_UNEVALUATED "M6" at 1346.02,1727.64 h16; LIB_UNEVALUATED "F14" at 1544.34,1881.18 h16; LIB_UNEVALUATED "B14" at 1544.34,1983.54 h16; LIB_UNEVALUATED "A2" at 1243.66,2009.13 h16; LIB_UNEVALUATED "M15" at 1569.93,1727.64 h16; LIB_UNEVALUATED "B6" at 1346.02,1983.54 h16; LIB_UNEVALUATED "C2" at 1243.66,1957.95 h16; LIB_UNEVALUATED "A5" at 1320.43,2009.13 h16; LIB_UNEVALUATED "B4" at 1294.84,1983.54 h16; LIB_UNEVALUATED "B7" at 1371.61,1983.54 h16; LIB_UNEVALUATED "D4" at 1294.84,1932.36 h16; LIB_UNEVALUATED "C4" at 1294.84,1957.95 h16; LIB_UNEVALUATED "C3" at 1269.25,1957.95 h16; LIB_UNEVALUATED "B10" at 1441.98,1983.54 h16; LIB_UNEVALUATED "N3" at 1269.25,1702.05 h16; LIB_UNEVALUATED "R3" at 1269.25,1650.87 h16; LIB_UNEVALUATED "R4" at 1294.84,1650.87 h16; LIB_UNEVALUATED "A14" at 1544.34,2009.13 h16; LIB_UNEVALUATED "A10" at 1441.98,2009.13 h16; LIB_UNEVALUATED "A15" at 1569.93,2009.13 h16; LIB_UNEVALUATED "D15" at 1569.93,1932.36 h16; LIB_UNEVALUATED "R12" at 1493.16,1650.87 h16; LIB_UNEVALUATED "H14" at 1544.34,1830 h16; LIB_UNEVALUATED "E15" at 1569.93,1906.77 h16; LIB_UNEVALUATED "P12" at 1493.16,1676.46 h16; LIB_UNEVALUATED "R14" at 1544.34,1650.87 h16; LIB_UNEVALUATED "L13" at 1518.75,1753.23 h16; LIB_UNEVALUATED "R15" at 1569.93,1650.87 h16; LIB_UNEVALUATED "K12" at 1493.16,1778.82 h16; LIB_UNEVALUATED "P13" at 1518.75,1676.46 h16; LIB_UNEVALUATED "G15" at 1569.93,1855.59 h16; LIB_UNEVALUATED "H15" at 1569.93,1830 h16; LIB_UNEVALUATED "A7" at 1371.61,2009.13 h16; LIB_UNEVALUATED "A12" at 1493.16,2009.13 h16; LIB_UNEVALUATED "D12" at 1493.16,1932.36 h16; LIB_UNEVALUATED "C11" at 1467.57,1957.95 h16; LIB_UNEVALUATED "D10" at 1441.98,1932.36 h16; LIB_UNEVALUATED "N13" at 1518.75,1702.05 h16; LIB_UNEVALUATED "N14" at 1544.34,1702.05 h16; LIB_UNEVALUATED "K13" at 1518.75,1778.82 h16; LIB_UNEVALUATED "K14" at 1544.34,1778.82 h16; LIB_UNEVALUATED "K15" at 1569.93,1778.82 h16; LIB_UNEVALUATED "L15" at 1569.93,1753.23 h16; LIB_UNEVALUATED "M7" at 1371.61,1727.64 h16; LIB_UNEVALUATED "N7" at 1371.61,1702.05 h16; LIB_UNEVALUATED "P7" at 1371.61,1676.46 h16; LIB_UNEVALUATED "R7" at 1371.61,1650.87 h16; LIB_UNEVALUATED "N6" at 1346.02,1702.05 h16; LIB_UNEVALUATED "P6" at 1346.02,1676.46 h16; LIB_UNEVALUATED "K3" at 1269.25,1778.82 h16; LIB_UNEVALUATED "J3" at 1269.25,1804.41 h16; LIB_UNEVALUATED "J2" at 1243.66,1804.41 h16; LIB_UNEVALUATED "H2" at 1243.66,1830 h16; LIB_UNEVALUATED "H3" at 1269.25,1830 h16; LIB_UNEVALUATED "E2" at 1243.66,1906.77 h16; LIB_UNEVALUATED "N15" at 1569.93,1702.05 h16; LIB_UNEVALUATED "P14" at 1544.34,1676.46 h16; LIB_UNEVALUATED "P15" at 1569.93,1676.46 h16; LIB_UNEVALUATED "R11" at 1467.57,1650.87 h16; LIB_UNEVALUATED "P11" at 1467.57,1676.46 h16; LIB_UNEVALUATED "N11" at 1467.57,1702.05 h16; LIB_UNEVALUATED "R10" at 1441.98,1650.87 h16; LIB_UNEVALUATED "P10" at 1441.98,1676.46 h16; LIB_UNEVALUATED "R9" at 1422.79,1650.87 h16; LIB_UNEVALUATED "P9" at 1422.79,1676.46 h16; LIB_UNEVALUATED "P8" at 1397.2,1676.46 h16; LIB_UNEVALUATED "R8" at 1397.2,1650.87 h16; LIB_UNEVALUATED "C12" at 1493.16,1957.95 h16; LIB_UNEVALUATED "B12" at 1493.16,1983.54 h16; LIB_UNEVALUATED "L14" at 1544.34,1753.23 h16; LIB_UNEVALUATED "M14" at 1544.34,1727.64 h16; LIB_UNEVALUATED "H4" at 1294.84,1830 h16; LIB_UNEVALUATED "J4" at 1294.84,1804.41 h16; LIB_UNEVALUATED "P4" at 1294.84,1676.46 h16; LIB_UNEVALUATED "A9" at 1422.79,2009.13 h16; LIB_UNEVALUATED "A6" at 1346.02,2009.13 h16; LIB_UNEVALUATED "N2" at 1243.66,1702.05 h16; LIB_UNEVALUATED "M11" at 1467.57,1727.64 h16; LIB_UNEVALUATED "B1" at 1218.07,1983.54 h16; LIB_UNEVALUATED "A1" at 1218.07,2009.13 h16; LIB_UNEVALUATED "B3" at 1269.25,1983.54 h16; LIB_UNEVALUATED "R5" at 1320.43,1650.87 h16; LIB_UNEVALUATED "G4" at 1294.84,1855.59 h16; LIB_UNEVALUATED "B2" at 1243.66,1983.54 h16; LIB_UNEVALUATED "P5" at 1320.43,1676.46 h16; LIB_UNEVALUATED "P2" at 1243.66,1676.46 h16; LIB_UNEVALUATED "R2" at 1243.66,1650.87 h16; LIB_UNEVALUATED "M3" at 1269.25,1727.64 h16; LIB_UNEVALUATED "M2" at 1243.66,1727.64 h16; LIB_UNEVALUATED "L1" at 1218.07,1753.23 h16; LIB_UNEVALUATED "N5" at 1320.43,1702.05 h16; LIB_UNEVALUATED "N4" at 1294.84,1702.05 h16; LIB_UNEVALUATED "P3" at 1269.25,1676.46 h16; LIB_UNEVALUATED "C9" at 1422.79,1957.95 h16; LIB_UNEVALUATED "C5" at 1320.43,1957.95 h16; LIB_UNEVALUATED "C8" at 1397.2,1957.95 h16; LIB_UNEVALUATED "C7" at 1371.61,1957.95 h16; LIB_UNEVALUATED "C1" at 1218.07,1957.95 h16; LIB_UNEVALUATED "J13" at 1518.75,1804.41 h16; LIB_UNEVALUATED "J12" at 1493.16,1804.41 h16; LIB_UNEVALUATED "G13" at 1518.75,1855.59 h16; LIB_UNEVALUATED "H13" at 1518.75,1830 h16; LIB_UNEVALUATED "G3" at 1269.25,1855.59 h16; LIB_UNEVALUATED "F3" at 1269.25,1881.18 h16; LIB_UNEVALUATED "K4" at 1294.84,1778.82 h16; LIB_UNEVALUATED "N9" at 1422.79,1702.05 h16; LIB_UNEVALUATED "N10" at 1441.98,1702.05 h16; LIB_UNEVALUATED "N8" at 1397.2,1702.05 h16; LIB_UNEVALUATED "F15" at 1569.93,1881.18 h16; LIB_UNEVALUATED "M12" at 1493.16,1727.64 h16; LIB_UNEVALUATED "B8" at 1397.2,1983.54 h16; LIB_UNEVALUATED "F4" at 1294.84,1881.18 h16; LIB_UNEVALUATED "D11" at 1467.57,1932.36 h16; LIB_UNEVALUATED "A8" at 1397.2,2009.13 h16; LIB_UNEVALUATED "B11" at 1467.57,1983.54 h16; LIB_UNEVALUATED "R13" at 1518.75,1650.87 h16; LIB_UNEVALUATED "R6" at 1346.02,1650.87 h16; LIB_UNEVALUATED "C14" at 1544.34,1957.95 h16; LIB_UNEVALUATED "C13" at 1518.75,1957.95 h16; LIB_UNEVALUATED "E14" at 1544.34,1906.77 h16; LIB_UNEVALUATED "D14" at 1544.34,1932.36 h16; LIB_UNEVALUATED "L2" at 1243.66,1753.23 h16; LIB_UNEVALUATED "L3" at 1269.25,1753.23 h16; LIB_UNEVALUATED "K2" at 1243.66,1778.82 h16; LIB_UNEVALUATED "K1" at 1218.07,1778.82 h16; LIB_UNEVALUATED "M4" at 1294.84,1727.64 h16; LIB_UNEVALUATED "M5" at 1320.43,1727.64 h16; LIB_UNEVALUATED "A13" at 1518.75,2009.13 h16; LIB_UNEVALUATED "E13" at 1518.75,1906.77 h16; LIB_UNEVALUATED "B13" at 1518.75,1983.54 h16; LIB_UNEVALUATED "E12" at 1493.16,1906.77 h16; LIB_UNEVALUATED "C15" at 1569.93,1957.95 h16; LIB_UNEVALUATED "B15" at 1569.93,1983.54 h16; LIB_UNEVALUATED "D13" at 1518.75,1932.36 h16; LIB_UNEVALUATED "E3" at 1269.25,1906.77 h16; LIB_UNEVALUATED "G14" at 1544.34,1855.59 h16; Top Overlay "15" at 1565,2045 h25; Top Overlay "1" at 1220,2045 h25; Top Overlay "R" at 1180,1640 h25; Top Overlay "A" at 1180,2000 h25
U9: LIB_UNEVALUATED "7.112" at 467,1793 h16 r270; LIB_UNEVALUATED "3.56" at 437,1792 h16 r270; LIB_UNEVALUATED "6.5" at 262,1481 h16 r270; LIB_UNEVALUATED "4.6" at 262,1526 h16 r270; LIB_UNEVALUATED "2.3" at 227,1576 h16 r270; LIB_UNEVALUATED "SOT-223" at -4,1738 h30 r270; LIB_UNEVALUATED "Approved" at 161.33,1774.67 h35 r270; LIB_UNEVALUATED "Remark: ***" at 545,1868 h25 r270; LIB_UNEVALUATED "Rev   : A1" at 585,1868 h25 r270; LIB_UNEVALUATED "Date  : 2007-**-**" at 625,1868 h25 r270; LIB_UNEVALUATED "Ref PN: LM1117S" at 705,1868 h25 r270; LIB_UNEVALUATED "Sofer Lib Information" at 755,1898 h25 r270; LIB_UNEVALUATED "Creat : Sofer Tech" at 665,1868 h25 r270; LIB_UNEVALUATED "1" at 182.71,1644.32 h16 r270; LIB_UNEVALUATED "2" at 273.27,1644.32 h16 r270; LIB_UNEVALUATED "4" at 273.27,1892.35 h16 r270; LIB_UNEVALUATED "3" at 363.82,1644.32 h16 r270
U10: LIB_UNEVALUATED "A6" at 1900.55,1161.18 h16 r270; LIB_UNEVALUATED "G2" at 1723.38,1279.29 h16 r270; LIB_UNEVALUATED "E3" at 1782.44,1249.76 h16 r270; LIB_UNEVALUATED "H6" at 1693.85,1161.18 h16 r270; LIB_UNEVALUATED "G5" at 1723.38,1190.71 h16 r270; LIB_UNEVALUATED "B5" at 1871.02,1190.71 h16 r270; LIB_UNEVALUATED "D6" at 1811.96,1161.18 h16 r270; LIB_UNEVALUATED "E1" at 1782.44,1308.82 h16 r270; LIB_UNEVALUATED "B6" at 1871.02,1161.18 h16 r270; LIB_UNEVALUATED "C5" at 1841.49,1190.71 h16 r270; LIB_UNEVALUATED "C6" at 1841.49,1161.18 h16 r270; LIB_UNEVALUATED "D5" at 1811.96,1190.71 h16 r270; LIB_UNEVALUATED "E5" at 1782.44,1190.71 h16 r270; LIB_UNEVALUATED "F5" at 1752.91,1190.71 h16 r270; LIB_UNEVALUATED "F6" at 1752.91,1161.18 h16 r270; LIB_UNEVALUATED "G6" at 1723.38,1161.18 h16 r270; LIB_UNEVALUATED "B1" at 1871.02,1308.82 h16 r270; LIB_UNEVALUATED "C1" at 1841.49,1308.82 h16 r270; LIB_UNEVALUATED "C2" at 1841.49,1279.29 h16 r270; LIB_UNEVALUATED "D2" at 1811.96,1279.29 h16 r270; LIB_UNEVALUATED "E2" at 1782.44,1279.29 h16 r270; LIB_UNEVALUATED "F2" at 1752.91,1279.29 h16 r270; LIB_UNEVALUATED "F1" at 1752.91,1308.82 h16 r270; LIB_UNEVALUATED "G1" at 1723.38,1308.82 h16 r270; LIB_UNEVALUATED "A3" at 1900.55,1249.76 h16 r270; LIB_UNEVALUATED "A4" at 1900.55,1220.24 h16 r270; LIB_UNEVALUATED "A5" at 1900.55,1190.71 h16 r270; LIB_UNEVALUATED "B3" at 1871.02,1249.76 h16 r270; LIB_UNEVALUATED "B4" at 1871.02,1220.24 h16 r270; LIB_UNEVALUATED "C3" at 1841.49,1249.76 h16 r270; LIB_UNEVALUATED "C4" at 1841.49,1220.24 h16 r270; LIB_UNEVALUATED "D4" at 1811.96,1220.24 h16 r270; LIB_UNEVALUATED "H2" at 1693.85,1279.29 h16 r270; LIB_UNEVALUATED "H3" at 1693.85,1249.76 h16 r270; LIB_UNEVALUATED "H4" at 1693.85,1220.24 h16 r270; LIB_UNEVALUATED "H5" at 1693.85,1190.71 h16 r270; LIB_UNEVALUATED "G3" at 1723.38,1249.76 h16 r270; LIB_UNEVALUATED "G4" at 1723.38,1220.24 h16 r270; LIB_UNEVALUATED "F3" at 1752.91,1249.76 h16 r270; LIB_UNEVALUATED "F4" at 1752.91,1220.24 h16 r270; LIB_UNEVALUATED "E4" at 1782.44,1220.24 h16 r270; LIB_UNEVALUATED "D3" at 1811.96,1249.76 h16 r270; LIB_UNEVALUATED "A2" at 1900.55,1279.29 h16 r270; LIB_UNEVALUATED "B2" at 1871.02,1279.29 h16 r270; LIB_UNEVALUATED "A1" at 1900.55,1308.82 h16 r270; LIB_UNEVALUATED "E6" at 1782.44,1161.18 h16 r270; LIB_UNEVALUATED "H1" at 1693.85,1308.82 h16 r270; LIB_UNEVALUATED "D1" at 1811.96,1308.82 h16 r270; LIB_UNEVALUATED "OK" at 1782,1235 h35 r270; Top Overlay "A" at 1900,1385 h25 r270; Top Overlay "H" at 1695,1385 h25 r270; Top Overlay "1" at 1990,1325 h25 r270; Top Overlay "6" at 1990,1175 h25 r270
U11: LIB_UNEVALUATED "7.112" at 467,1345 h16 r270; LIB_UNEVALUATED "3.56" at 437,1344 h16 r270; LIB_UNEVALUATED "6.5" at 262,1033 h16 r270; LIB_UNEVALUATED "4.6" at 262,1078 h16 r270; LIB_UNEVALUATED "2.3" at 227,1128 h16 r270; LIB_UNEVALUATED "SOT-223" at -4,1290 h30 r270; LIB_UNEVALUATED "Approved" at 161.33,1326.67 h35 r270; LIB_UNEVALUATED "Remark: ***" at 545,1420 h25 r270; LIB_UNEVALUATED "Rev   : A1" at 585,1420 h25 r270; LIB_UNEVALUATED "Date  : 2007-**-**" at 625,1420 h25 r270; LIB_UNEVALUATED "Ref PN: LM1117S" at 705,1420 h25 r270; LIB_UNEVALUATED "Sofer Lib Information" at 755,1450 h25 r270; LIB_UNEVALUATED "Creat : Sofer Tech" at 665,1420 h25 r270; LIB_UNEVALUATED "1" at 182.71,1196.32 h16 r270; LIB_UNEVALUATED "2" at 273.27,1196.32 h16 r270; LIB_UNEVALUATED "4" at 273.27,1444.35 h16 r270; LIB_UNEVALUATED "3" at 363.82,1196.32 h16 r270; ASSEMBLY_TOP "LD1117S18TR" at 153,1310 h30 r270
U12: LIB_UNEVALUATED "OK" at 873,745 h35 r180; LIB_UNEVALUATED "Remark: SH43_QD_PRO_11" at 1064,603 h25 r180; LIB_UNEVALUATED "Rev   : A1" at 1064,563 h25 r180; LIB_UNEVALUATED "Date  : 2010-09-27" at 1064,523 h25 r180; LIB_UNEVALUATED "Creat : Yuki" at 1064,483 h25 r180; LIB_UNEVALUATED "Ref PN: TPS73701DRBT" at 1064,443 h25 r180; LIB_UNEVALUATED "Sofer Lib Information" at 1094,393 h25 r180; LIB_UNEVALUATED "SON8_0R65_3X3" at 751,913 h30 r180; LIB_UNEVALUATED "5" at 856.21,686.93 h16 r180; LIB_UNEVALUATED "1" at 932.99,803.07 h16 r180; LIB_UNEVALUATED "8" at 932.99,686.93 h16 r180; LIB_UNEVALUATED "4" at 856.21,803.07 h16 r180; LIB_UNEVALUATED "9" at 894.6,745 h16 r180; LIB_UNEVALUATED "3" at 881.8,803.07 h16 r180; LIB_UNEVALUATED "6" at 881.8,686.93 h16 r180; LIB_UNEVALUATED "7" at 907.4,686.93 h16 r180; LIB_UNEVALUATED "2" at 907.4,803.07 h16 r180; Top Overlay "8" at 965,640 h25; Top Overlay "5" at 810,660 h25; Top Overlay "4" at 810,805 h25
U13: LIB_UNEVALUATED "4" at 1496,452.24 h16; LIB_UNEVALUATED "5" at 1421.2,452.24 h16; LIB_UNEVALUATED "1" at 1416.2,362.76 h16; LIB_UNEVALUATED "3" at 1491,362.76 h16; LIB_UNEVALUATED "2" at 1453.6,362.76 h16; LIB_UNEVALUATED "SOT23-5" at 1376,225 h30; LIB_UNEVALUATED "Sofer Lib Information" at 1334,782 h25; LIB_UNEVALUATED "Ref PN: XC6209E262MR" at 1364,732 h25; LIB_UNEVALUATED "Creat : Yuki" at 1364,692 h25; LIB_UNEVALUATED "Date  : 2007-11-01" at 1364,652 h25; LIB_UNEVALUATED "Rev   : A1" at 1364,612 h25; LIB_UNEVALUATED "Remark: XC6209E33T.PDF" at 1364,572 h25; LIB_UNEVALUATED "Approved" at 1348,420 h35; LIB_UNEVALUATED "0.95" at 1501,317 h16; LIB_UNEVALUATED "2.9" at 1452,287 h16; LIB_UNEVALUATED "1.9" at 1440,535 h16; LIB_UNEVALUATED "1.562" at 1540,412 h16; LIB_UNEVALUATED "2.8" at 1617,412 h16; ASSEMBLY_TOP "STMPS2141STR" at 1316,225 h30
U14: LIB_UNEVALUATED "2.8" at 2482,412 h16; LIB_UNEVALUATED "1.562" at 2405,412 h16; LIB_UNEVALUATED "1.9" at 2305,535 h16; LIB_UNEVALUATED "2.9" at 2317,287 h16; LIB_UNEVALUATED "0.95" at 2366,317 h16; LIB_UNEVALUATED "Approved" at 2213,420 h35; LIB_UNEVALUATED "Remark: XC6209E33T.PDF" at 2229,572 h25; LIB_UNEVALUATED "Rev   : A1" at 2229,612 h25; LIB_UNEVALUATED "Date  : 2007-11-01" at 2229,652 h25; LIB_UNEVALUATED "Creat : Yuki" at 2229,692 h25; LIB_UNEVALUATED "Ref PN: XC6209E262MR" at 2229,732 h25; LIB_UNEVALUATED "Sofer Lib Information" at 2199,782 h25; LIB_UNEVALUATED "SOT23-5" at 2241,225 h30; LIB_UNEVALUATED "2" at 2318.6,362.76 h16; LIB_UNEVALUATED "3" at 2356,362.76 h16; LIB_UNEVALUATED "1" at 2281.2,362.76 h16; LIB_UNEVALUATED "5" at 2286.2,452.24 h16; LIB_UNEVALUATED "4" at 2361,452.24 h16
U15: LIB_UNEVALUATED "1.2" at 1168,277 h16; LIB_UNEVALUATED "2.5" at 1096,415 h16; LIB_UNEVALUATED "1.5" at 1096,385 h16; LIB_UNEVALUATED "0.5" at 1096,357 h16; LIB_UNEVALUATED "NO" at 1086,265 h35; LIB_UNEVALUATED "Remark: D031-022A1" at 966,480 h25; LIB_UNEVALUATED "Rev   : A1" at 966,520 h25; LIB_UNEVALUATED "Date  : 2016-04-12" at 966,560 h25; LIB_UNEVALUATED "Creat : Yuki" at 966,600 h25; LIB_UNEVALUATED "Ref PN: ECMF02-4CMX8" at 966,640 h25; LIB_UNEVALUATED "Sofer Lib Information" at 936,690 h25; LIB_UNEVALUATED "QFN8_0R5_2R5X1R2" at 946,183 h30; LIB_UNEVALUATED "8" at 1077.2,297 h16; LIB_UNEVALUATED "5" at 1136.73,292.69 h16; LIB_UNEVALUATED "3" at 1114.89,257.63 h16; LIB_UNEVALUATED "2" at 1095.2,257.63 h16; LIB_UNEVALUATED "1" at 1077.2,261 h16; LIB_UNEVALUATED "4" at 1136.73,259.31 h16; LIB_UNEVALUATED "7" at 1095.2,297 h16; LIB_UNEVALUATED "6" at 1114.89,297 h16
U16: LIB_UNEVALUATED "OK" at 765.07,3409.41 h35 r270; LIB_UNEVALUATED "Remark: D031-006A1" at 936.76,3267.99 h25 r270; LIB_UNEVALUATED "Rev   : A1" at 976.76,3267.99 h25 r270; LIB_UNEVALUATED "Date  : 2012-07-31" at 1016.76,3267.99 h25 r270; LIB_UNEVALUATED "Creat : Yuki" at 1056.76,3267.99 h25 r270; LIB_UNEVALUATED "Ref PN: MP34DT01TR" at 1096.76,3267.99 h25 r270; LIB_UNEVALUATED "Sofer Lib Information" at 1146.76,3237.99 h25 r270; LIB_UNEVALUATED "MP34DT01TR" at 523.05,3430.12 h30 r270; LIB_UNEVALUATED "5" at 717.67,3408.41 h16 r270; LIB_UNEVALUATED "2" at 748.56,3397.98 h16 r270; LIB_UNEVALUATED "4" at 801.71,3431.45 h16 r270; LIB_UNEVALUATED "3" at 748.56,3431.45 h16 r270; LIB_UNEVALUATED "1" at 801.71,3397.98 h16 r270; ASSEMBLY_BOTTOM "MP34DT01" at 552.49,3435.55 h30 r270
U17: LIB_UNEVALUATED "1" at 217.1,3397.98 h16 r270; LIB_UNEVALUATED "3" at 163.95,3431.45 h16 r270; LIB_UNEVALUATED "4" at 217.1,3431.45 h16 r270; LIB_UNEVALUATED "2" at 163.95,3397.98 h16 r270; LIB_UNEVALUATED "5" at 133.06,3408.41 h16 r270; LIB_UNEVALUATED "MP34DT01TR" at -61.56,3430.12 h30 r270; LIB_UNEVALUATED "Sofer Lib Information" at 562.15,3237.99 h25 r270; LIB_UNEVALUATED "Ref PN: MP34DT01TR" at 512.15,3267.99 h25 r270; LIB_UNEVALUATED "Creat : Yuki" at 472.15,3267.99 h25 r270; LIB_UNEVALUATED "Date  : 2012-07-31" at 432.15,3267.99 h25 r270; LIB_UNEVALUATED "Rev   : A1" at 392.15,3267.99 h25 r270; LIB_UNEVALUATED "Remark: D031-006A1" at 352.15,3267.99 h25 r270; LIB_UNEVALUATED "OK" at 180.46,3409.41 h35 r270; ASSEMBLY_BOTTOM "MP34DT01" at -32.12,3435.55 h30 r270